# KiCad board ikafly_rev0a_p.kicad_pcb
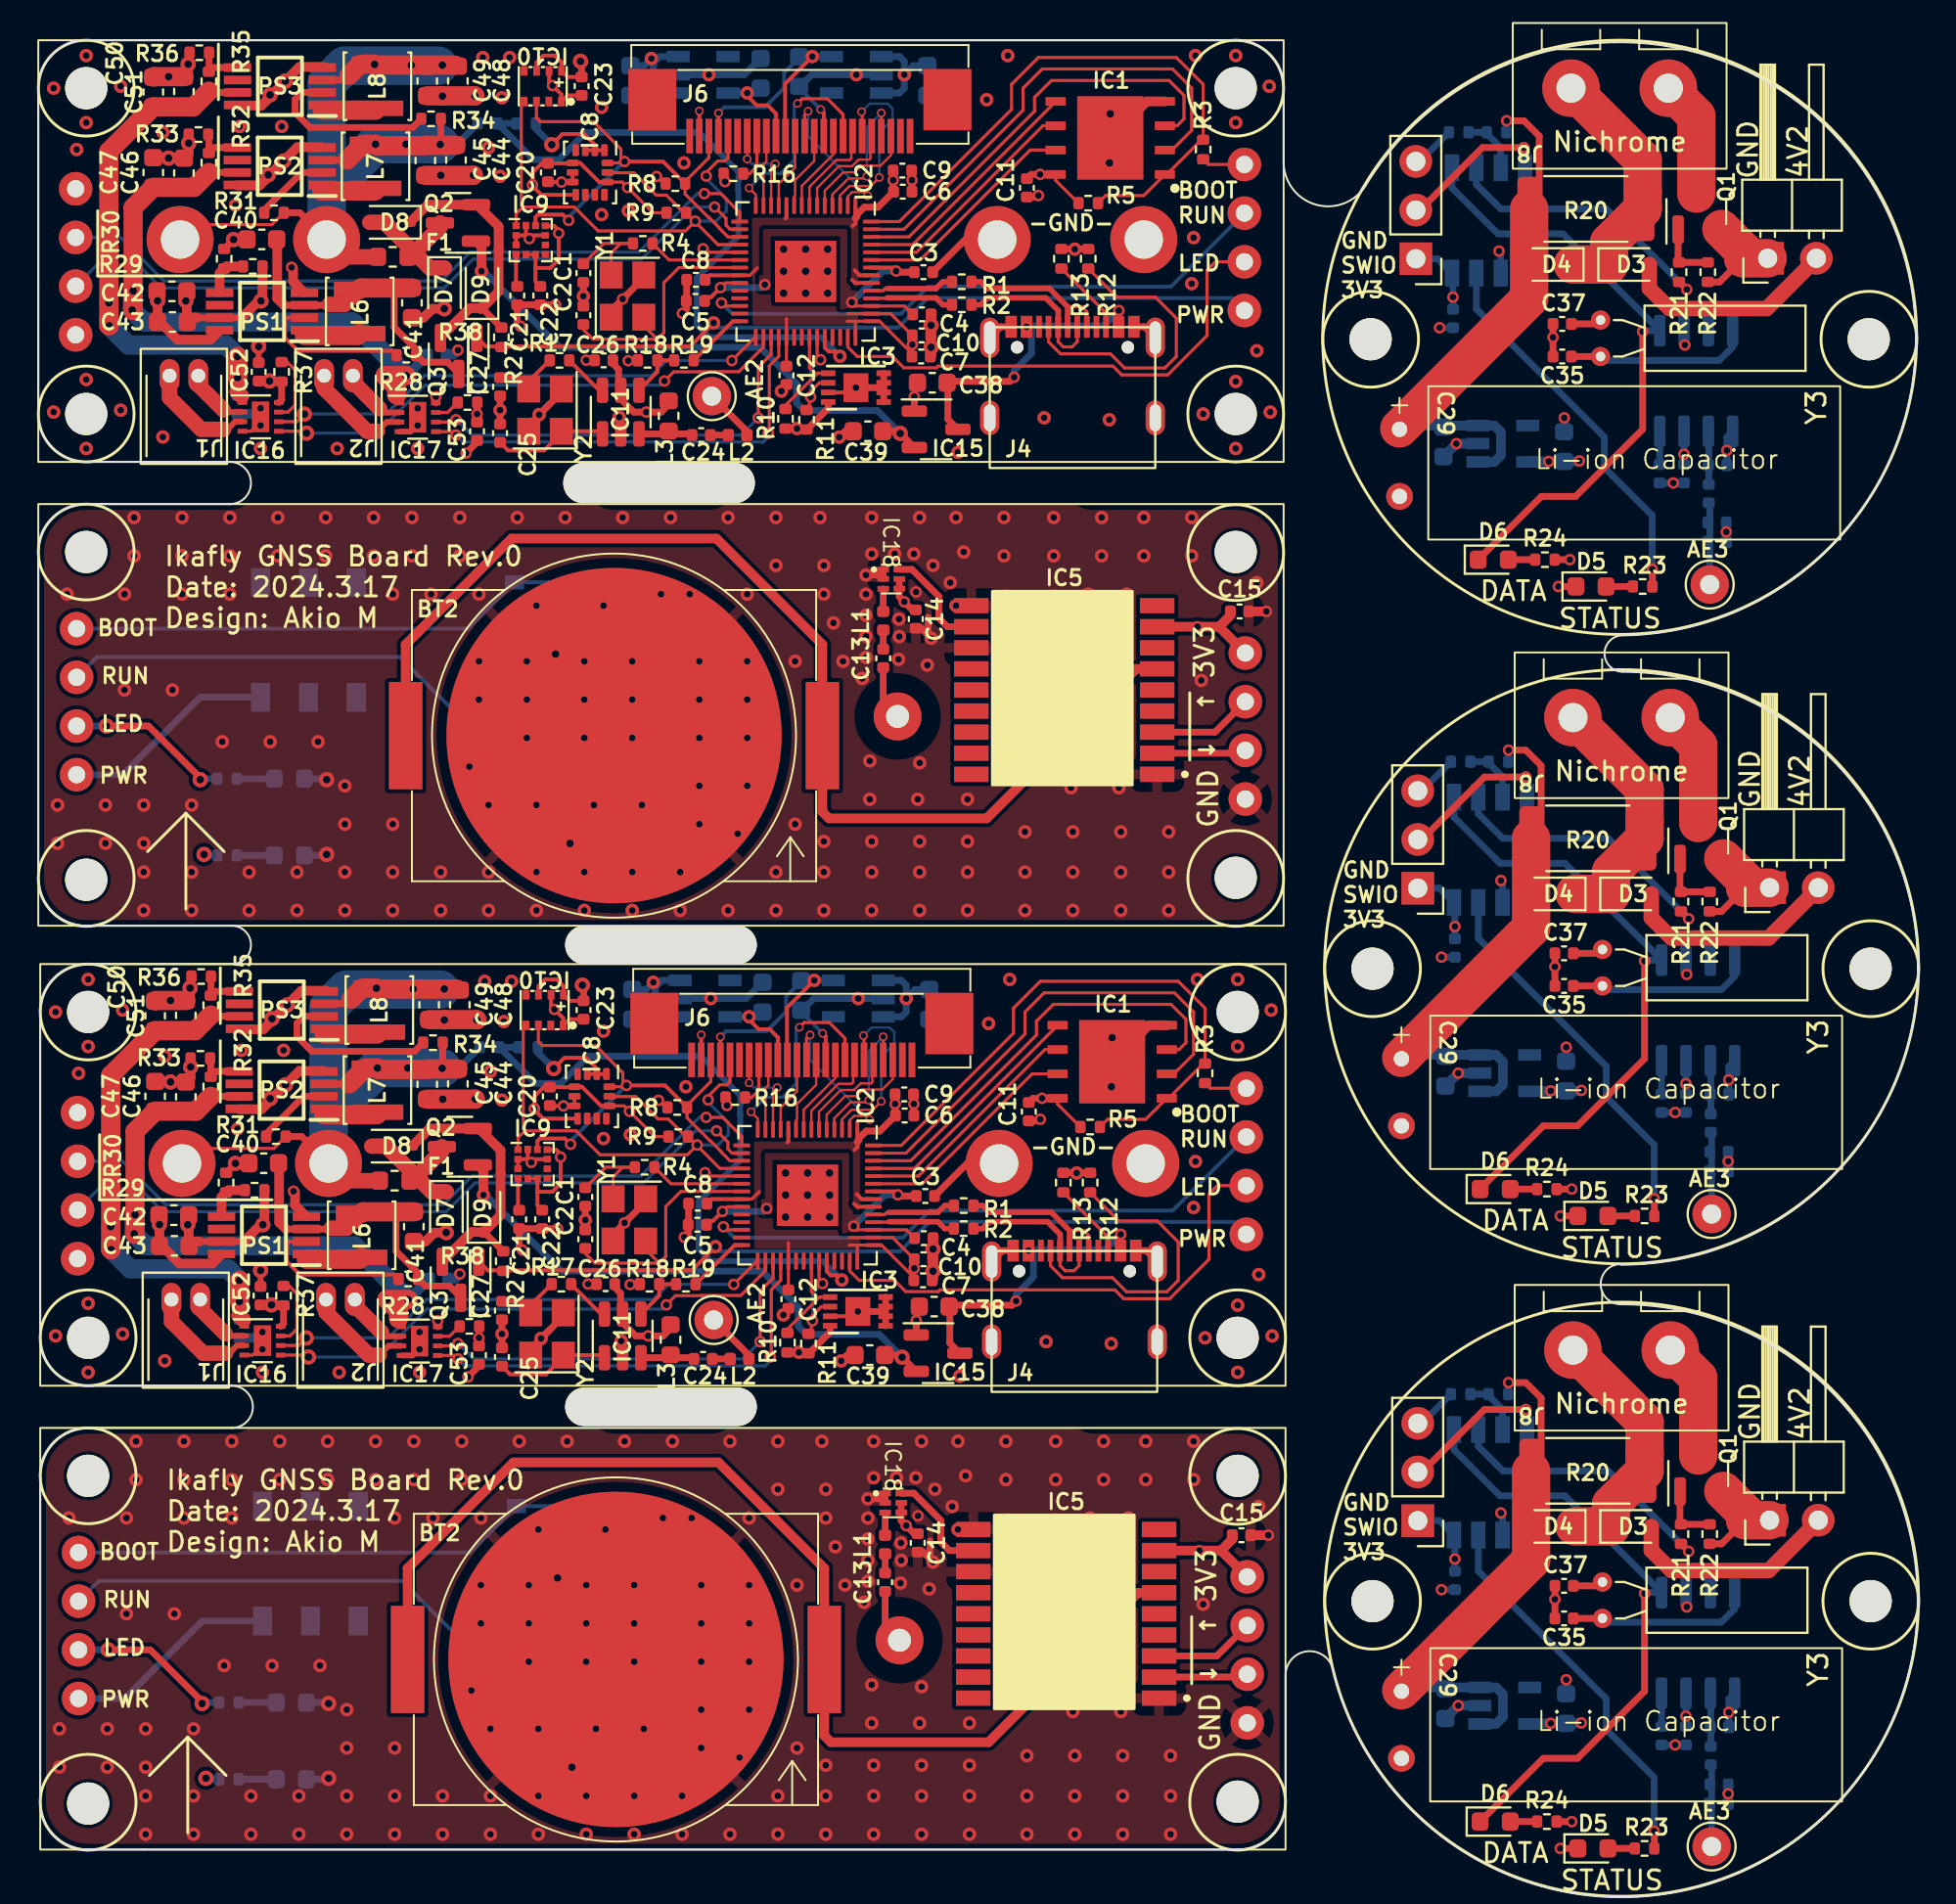
[diagram p0: board, top side]
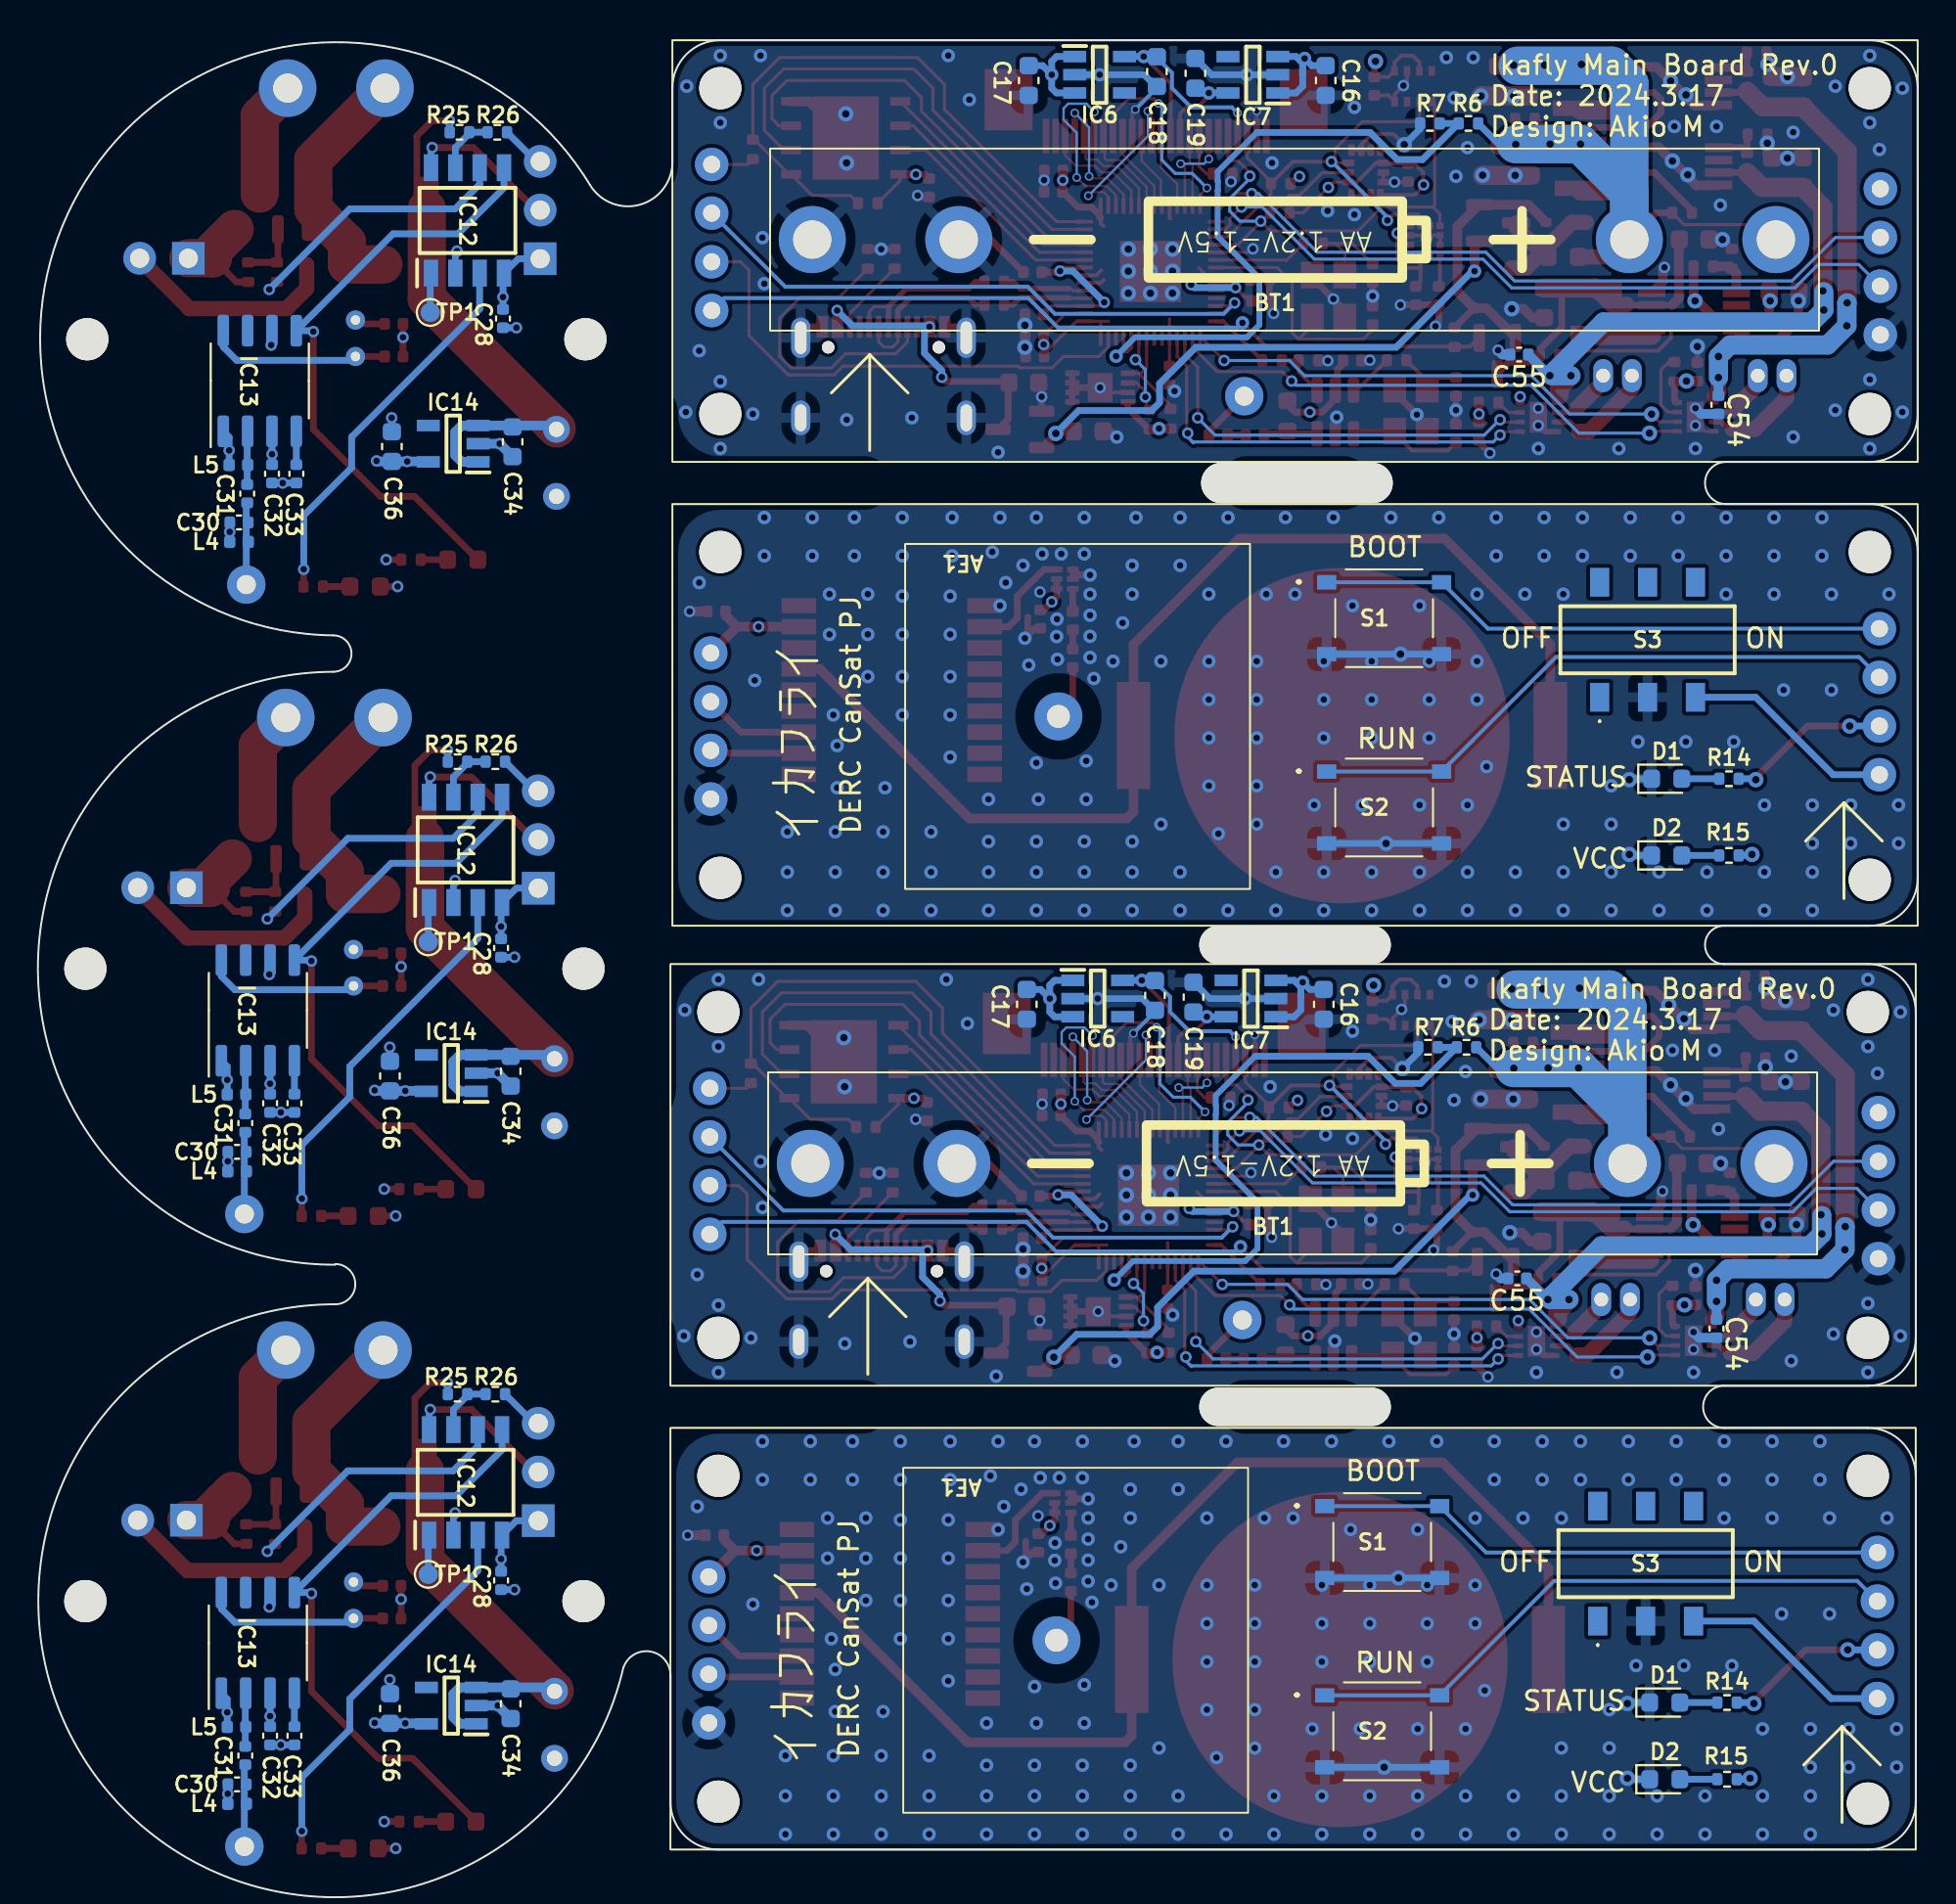
[diagram p1: board, bottom side, seen from below]

Outline 98.1 x 96.88 mm; copper layers: Top, In1.Cu, In2.Cu, Bottom. Coordinates in mm from the lower left corner of the outline.
Outline path: 67.55,11.99 arc(66.13,12.81) 65.1,11.54 65.1,4.98 arc(64.37,3.21) 62.6,2.48 5.5,2.48 2.6,2.48 arc(0.83,3.21) 0.1,4.98 0.1,21.98 arc(0.83,23.75) 2.6,24.48 10.1,24.48 arc(11.2,25.58) 10.1,26.68 2.6,26.68 arc(0.83,27.41) 0.1,29.18 0.1,46.18 arc(0.83,47.95) 2.6,48.68 10.1,48.68 arc(11.1,49.68) 10.1,50.68 2.5,50.68 arc(0.73,51.41) 0,53.18 0,70.18 arc(0.73,71.95) 2.5,72.68 10,72.68 arc(11.1,73.78) 10,74.88 2.5,74.88 arc(0.73,75.61) 0,77.38 0,94.38 arc(0.73,96.15) 2.5,96.88 62.5,96.88 arc(64.27,96.15) 65,94.38 65,90.63 arc(66.65,88.31) 69.3,89.33 arc(95.97,88.97) 82.7,65.83 arc(81.75,64.88) 82.7,63.93 arc(98.1,48.41) 82.6,33 ; 67.56,11.99 arc(94.74,5.84) 82.6,30.93 arc(81.55,31.98) 82.6,33.03
Stack: Top 0.035mm / dielectric 0.1mm FR4 er 4.5 / In1.Cu 0.035mm / dielectric 0.64mm FR4 er 4.5 / In2.Cu 0.035mm / dielectric 0.1mm FR4 er 4.5 / Bottom 0.035mm

## Placement (name value [footprint] x y rotation side)
AE1  ANT_GNSS  [BWGNSCNX18-18W2]  43.95 13.4 180 bottom
AE1#2  ANT_GNSS  [BWGNSCNX18-18W2]  43.85 61.6 180 bottom
AE2  ANT_315MHz  [Pin_D1.0mm_L10.0mm]  35.15 78.31 90 top
AE2#2  ANT_315MHz  [Pin_D1.0mm_L10.0mm]  35.25 30.11 90 top
AE3  ANT_315MHz  [Pin_D1.0mm_L10.0mm]  87.34 35.64 180 top
AE3#2  ANT_315MHz  [Pin_D1.0mm_L10.0mm]  87.24 68.48 180 top
AE3#3  ANT_315MHz  [Pin_D1.0mm_L10.0mm]  87.34 2.64 180 top
BT1  AA_Cell  [Conn_MY-AA]  7.4 86.48 0 bottom
BT1#2  AA_Cell  [Conn_MY-AA]  7.5 38.28 0 bottom
BT2  CR2032  [MY-2032-08-J-Fe]  30.15 12.4 0 top
BT2#2  CR2032  [MY-2032-08-J-Fe]  30.05 60.6 0 top
C1  20p  [C_0402_1005Metric]  28.45 84.73 90 top
C1#2  20p  [C_0402_1005Metric]  28.55 36.53 90 top
C2  20p  [C_0402_1005Metric]  28.55 34.33 270 top
C2#2  20p  [C_0402_1005Metric]  28.45 82.53 270 top
C3  1u  [C_0402_1005Metric]  46.2 84.78 0 top
C3#2  1u  [C_0402_1005Metric]  46.3 36.58 0 top
C4  100n  [C_0402_1005Metric]  46.22 34.38 0 top
C4#2  100n  [C_0402_1005Metric]  46.12 82.58 0 top
C5  100n  [C_0402_1005Metric]  34.3 83.28 180 top
C5#2  100n  [C_0402_1005Metric]  34.4 35.08 180 top
C6  1u  [C_0402_1005Metric]  45.22 40.78 0 top
C6#2  1u  [C_0402_1005Metric]  45.12 88.98 0 top
C7  100n  [C_0402_1005Metric]  46.18 32.18 0 top
C7#2  100n  [C_0402_1005Metric]  46.08 80.38 0 top
C8  100n  [C_0402_1005Metric]  34.42 36.18 180 top
C8#2  100n  [C_0402_1005Metric]  34.32 84.38 180 top
C9  100n  [C_0402_1005Metric]  45.2 41.88 0 top
C9#2  100n  [C_0402_1005Metric]  45.1 90.08 0 top
C10  100n  [C_0402_1005Metric]  46.2 33.28 0 top
C10#2  100n  [C_0402_1005Metric]  46.1 81.48 0 top
C11  100n  [C_0402_1005Metric]  51.7 40.98 270 top
C11#2  100n  [C_0402_1005Metric]  51.6 89.18 270 top
C12  100n  [C_0402_1005Metric]  39.05 79.4 270 top
C12#2  100n  [C_0402_1005Metric]  39.15 31.2 270 top
C13  470p  [C_0402_1005Metric]  44.1 64.63 90 top
C13#2  470p  [C_0402_1005Metric]  44.2 16.43 90 top
C14  100n  [C_0402_1005Metric]  45.8 66.68 270 top
C14#2  100n  [C_0402_1005Metric]  45.9 18.48 270 top
C15  100n  [C_0402_1005Metric]  62.7 67.08 0 top
C15#2  100n  [C_0402_1005Metric]  62.8 18.88 0 top
C16  10u  [C_0603_1608Metric]  31 46.58 270 bottom
C16#2  10u  [C_0603_1608Metric]  30.9 94.78 270 bottom
C17  10u  [C_0603_1608Metric]  46.4 94.78 270 bottom
C17#2  10u  [C_0603_1608Metric]  46.5 46.58 270 bottom
C18  10u  [C_0603_1608Metric]  39.71 95.25 270 bottom
C18#2  10u  [C_0603_1608Metric]  39.81 47.05 270 bottom
C19  10u  [C_0603_1608Metric]  37.8 46.96 90 bottom
C19#2  10u  [C_0603_1608Metric]  37.7 95.16 90 bottom
C20  100n  [C_0402_1005Metric]  26.7 41.78 90 top
C20#2  100n  [C_0402_1005Metric]  26.6 89.98 90 top
C21  100n  [C_0402_1005Metric]  25.1 35.36 90 top
C21#2  100n  [C_0402_1005Metric]  25 83.56 90 top
C22  100n  [C_0402_1005Metric]  26.3 35.36 270 top
C22#2  100n  [C_0402_1005Metric]  26.2 83.56 270 top
C23  100n  [C_0402_1005Metric]  28.36 94.49 270 top
C23#2  100n  [C_0402_1005Metric]  28.46 46.29 270 top
C24  20p  [C_0402_1005Metric]  34.6 76.28 180 top
C24#2  20p  [C_0402_1005Metric]  34.7 28.08 180 top
C25  20p  [C_0402_1005Metric]  24.1 76.38 90 top
C25#2  20p  [C_0402_1005Metric]  24.2 28.18 90 top
C26  2.2u  [C_0402_1005Metric]  29.51 80.18 180 top
C26#2  2.2u  [C_0402_1005Metric]  29.61 31.98 180 top
C27  20p  [C_0402_1005Metric]  24.2 30.6 270 top
C27#2  20p  [C_0402_1005Metric]  24.1 78.8 270 top
C28  100n  [C_0402_1005Metric]  73.94 16.52 270 bottom
C28#2  100n  [C_0402_1005Metric]  73.94 49.52 270 bottom
C28#3  100n  [C_0402_1005Metric]  73.84 82.36 270 bottom
C29  40F  [Capacitor_P3.5_8x20_H]  71.05 74.83 270 top
C29#2  40F  [Capacitor_P3.5_8x20_H]  71.15 41.99 270 top
C29#3  40F  [Capacitor_P3.5_8x20_H]  71.15 8.99 270 top
C30  6.8p  [C_0402_1005Metric]  87.62 71.72 0 bottom
C30#2  6.8p  [C_0402_1005Metric]  87.72 38.88 0 bottom
C30#3  6.8p  [C_0402_1005Metric]  87.72 5.88 0 bottom
C31  1.5p  [C_0402_1005Metric]  87.29 7.38 90 bottom
C31#2  1.5p  [C_0402_1005Metric]  87.19 73.22 90 bottom
C31#3  1.5p  [C_0402_1005Metric]  87.29 40.38 90 bottom
C32  100n  [C_0402_1005Metric]  86 8.42 270 bottom
C32#2  100n  [C_0402_1005Metric]  86 41.42 270 bottom
C32#3  100n  [C_0402_1005Metric]  85.9 74.26 270 bottom
C33  0.47u  [C_0402_1005Metric]  84.73 41.42 270 bottom
C33#2  0.47u  [C_0402_1005Metric]  84.63 74.26 270 bottom
C33#3  0.47u  [C_0402_1005Metric]  84.73 8.42 270 bottom
C34  10u  [C_0603_1608Metric]  73.44 10.09 270 bottom
C34#2  10u  [C_0603_1608Metric]  73.34 75.93 270 bottom
C34#3  10u  [C_0603_1608Metric]  73.44 43.09 270 bottom
C35  20p  [C_0402_1005Metric]  79.64 47.54 180 top
C35#2  20p  [C_0402_1005Metric]  79.54 80.38 180 top
C35#3  20p  [C_0402_1005Metric]  79.64 14.54 180 top
C36  10u  [C_0603_1608Metric]  79.64 75.68 90 bottom
C36#2  10u  [C_0603_1608Metric]  79.74 9.84 90 bottom
C36#3  10u  [C_0603_1608Metric]  79.74 42.84 90 bottom
C37  20p  [C_0402_1005Metric]  79.54 82.08 180 top
C37#2  20p  [C_0402_1005Metric]  79.64 49.24 180 top
C37#3  20p  [C_0402_1005Metric]  79.64 16.24 180 top
C38  10u  [C_0603_1608Metric]  46.76 30.81 180 top
C38#2  10u  [C_0603_1608Metric]  46.66 79.01 180 top
C39  10u  [C_0603_1608Metric]  43.4 28.28 180 top
C39#2  10u  [C_0603_1608Metric]  43.3 76.48 180 top
C40  22u  [C_0603_1608Metric]  11.76 38.29 180 top
C40#2  22u  [C_0603_1608Metric]  11.66 86.49 180 top
C41  22u  [C_0603_1608Metric]  19.5 83.18 270 top
C41#2  22u  [C_0603_1608Metric]  19.6 34.98 270 top
C42  22u  [C_0603_1608Metric]  7.07 35.58 180 top
C42#2  22u  [C_0603_1608Metric]  6.97 83.78 180 top
C43  22u  [C_0603_1608Metric]  7 82.18 180 top
C43#2  22u  [C_0603_1608Metric]  7.1 33.98 180 top
C44  22u  [C_0603_1608Metric]  21.8 90.63 270 top
C44#2  22u  [C_0603_1608Metric]  21.9 42.43 270 top
C45  22u  [C_0603_1608Metric]  20.2 90.61 270 top
C45#2  22u  [C_0603_1608Metric]  20.3 42.41 270 top
C46  22u  [C_0603_1608Metric]  7.6 89.96 90 top
C46#2  22u  [C_0603_1608Metric]  7.7 41.76 90 top
C47  22u  [C_0603_1608Metric]  6 89.98 90 top
C47#2  22u  [C_0603_1608Metric]  6.1 41.78 90 top
C48  22u  [C_0603_1608Metric]  22 46.56 270 top
C48#2  22u  [C_0603_1608Metric]  21.9 94.76 270 top
C49  22u  [C_0603_1608Metric]  20.4 46.56 270 top
C49#2  22u  [C_0603_1608Metric]  20.3 94.76 270 top
C50  22u  [C_0603_1608Metric]  6.1 45.98 90 top
C50#2  22u  [C_0603_1608Metric]  6 94.18 90 top
C51  22u  [C_0603_1608Metric]  7.7 46.01 90 top
C51#2  22u  [C_0603_1608Metric]  7.6 94.21 90 top
C52  100n  [C_0402_1005Metric]  11.6 31.38 90 top
C52#2  100n  [C_0402_1005Metric]  11.5 79.58 90 top
C53  100n  [C_0402_1005Metric]  23 28.28 270 top
C53#2  100n  [C_0402_1005Metric]  22.9 76.48 270 top
C54  100n  [C_0402_1005Metric]  10.5 29.66 270 bottom
C54#2  100n  [C_0402_1005Metric]  10.4 77.86 270 bottom
C55  100n  [C_0402_1005Metric]  20.9 32.28 0 bottom
C55#2  100n  [C_0402_1005Metric]  20.8 80.48 0 bottom
D1  LED  [LED_0603_1608Metric]  13.2 10.15 180 bottom
D1#2  LED  [LED_0603_1608Metric]  13.1 58.35 180 bottom
D2  LED  [LED_0603_1608Metric]  13.2 6.15 180 bottom
D2#2  LED  [LED_0603_1608Metric]  13.1 54.35 180 bottom
D3  CUS10S30  [D_SOD-323]  83.04 85.18 0 top
D3#2  CUS10S30  [D_SOD-323]  83.14 19.34 0 top
D3#3  CUS10S30  [D_SOD-323]  83.14 52.34 0 top
D4  CUS10S30  [D_SOD-323]  79.14 19.34 180 top
D4#2  CUS10S30  [D_SOD-323]  79.14 52.34 180 top
D4#3  CUS10S30  [D_SOD-323]  79.04 85.18 180 top
D5  LED  [LED_0603_1608Metric]  81.14 2.54 0 top
D5#2  LED  [LED_0603_1608Metric]  81.14 35.54 0 top
D5#3  LED  [LED_0603_1608Metric]  81.04 68.38 0 top
D6  LED  [LED_0603_1608Metric]  76.04 36.94 0 top
D6#2  LED  [LED_0603_1608Metric]  75.94 69.78 0 top
D6#3  LED  [LED_0603_1608Metric]  76.04 3.94 0 top
D7  CUS10S30  [D_SOD-323]  21.2 83.95 270 top
D7#2  CUS10S30  [D_SOD-323]  21.3 35.75 270 top
D8  CUS10S30  [D_SOD-323]  18.45 39.18 180 top
D8#2  CUS10S30  [D_SOD-323]  18.35 87.38 180 top
D9  CUS10S30  [D_SOD-323]  23.16 83.95 90 top
D9#2  CUS10S30  [D_SOD-323]  23.26 35.75 90 top
F1  Polyfuse  [Fuse_0603_1608Metric]  18.5 85.58 0 top
F1#2  Polyfuse  [Fuse_0603_1608Metric]  18.6 37.38 0 top
H1  MountingHole  [MountingHole_2.2mm_M2]  2.6 46.18 0 top
H1#2  MountingHole  [MountingHole_2.2mm_M2]  2.5 94.38 0 top
H2  MountingHole  [MountingHole_2.2mm_M2]  2.6 29.18 0 top
H2#2  MountingHole  [MountingHole_2.2mm_M2]  2.5 77.38 0 top
H3  MountingHole  [MountingHole_2.2mm_M2]  62.6 46.18 0 top
H3#2  MountingHole  [MountingHole_2.2mm_M2]  62.5 94.38 0 top
H4  MountingHole  [MountingHole_2.2mm_M2]  62.5 77.38 0 top
H4#2  MountingHole  [MountingHole_2.2mm_M2]  62.6 29.18 0 top
H5  MountingHole  [MountingHole_2.2mm_M2]  69.54 81.28 0 top
H5#2  MountingHole  [MountingHole_2.2mm_M2]  69.64 48.44 0 top
H5#3  MountingHole  [MountingHole_2.2mm_M2]  69.64 15.44 0 top
H6  MountingHole  [MountingHole_2.2mm_M2]  95.64 15.44 0 top
H6#2  MountingHole  [MountingHole_2.2mm_M2]  95.64 48.44 0 top
H6#3  MountingHole  [MountingHole_2.2mm_M2]  95.54 81.28 0 top
H7  MountingHole  [MountingHole_2.2mm_M2]  2.5 70.18 0 top
H7#2  MountingHole  [MountingHole_2.2mm_M2]  2.6 21.98 0 top
H8  MountingHole  [MountingHole_2.2mm_M2]  2.5 53.08 0 top
H8#2  MountingHole  [MountingHole_2.2mm_M2]  2.6 4.88 0 top
H9  MountingHole  [MountingHole_2.2mm_M2]  62.6 4.98 0 top
H9#2  MountingHole  [MountingHole_2.2mm_M2]  62.5 53.18 0 top
H10  MountingHole  [MountingHole_2.2mm_M2]  62.6 21.98 0 top
H10#2  MountingHole  [MountingHole_2.2mm_M2]  62.5 70.18 0 top
IC1  W25Q32JVZPIQ  [SON127P600X500X80-9N-D]  55.95 91.79 180 top
IC1#2  W25Q32JVZPIQ  [SON127P600X500X80-9N-D]  56.05 43.59 180 top
IC2  RP2040  [QFN-56-1EP_7x7mm_P0.4mm_EP3.2x3.2mm]  40.05 84.82 270 top
IC2#2  RP2040  [QFN-56-1EP_7x7mm_P0.4mm_EP3.2x3.2mm]  40.15 36.62 270 top
IC3  ZD24C512A  [DFN-8-1EP_3x2mm_P0.5mm_EP1.3x1.5mm]  42.77 30.56 180 top
IC3#2  ZD24C512A  [DFN-8-1EP_3x2mm_P0.5mm_EP1.3x1.5mm]  42.67 78.76 180 top
IC5  ATGM336H-5N31  [ATGM336H5N31]  53.55 62.98 0 top
IC5#2  ATGM336H-5N31  [ATGM336H5N31]  53.65 14.78 0 top
IC6  ME6211C28M5G-N  [SOT95P282X145-5N]  42.8 46.88 180 bottom
IC6#2  ME6211C28M5G-N  [SOT95P282X145-5N]  42.7 95.08 180 bottom
IC7  ME6211C12M5G-N  [SOT95P282X145-5N]  34.7 95.08 0 bottom
IC7#2  ME6211C12M5G-N  [SOT95P282X145-5N]  34.8 46.88 0 bottom
IC8  LSM6DS3TR-C  [LGA-14_3x2.5mm_P0.5mm_LayoutBorder3x4y]  28.9 41.78 270 top
IC8#2  LSM6DS3TR-C  [LGA-14_3x2.5mm_P0.5mm_LayoutBorder3x4y]  28.8 89.98 270 top
IC9  LIS3MDLTR  [LGA-12_2x2mm_P0.5mm]  25.8 38.25 0 top
IC9#2  LIS3MDLTR  [LGA-12_2x2mm_P0.5mm]  25.7 86.45 0 top
IC10  SPL06-001  [Goertek_SPL06-001]  27.58 95.48 180 top
IC10#2  SPL06-001  [Goertek_SPL06-001]  27.68 47.28 180 top
IC11  WF4455TD  [SOT-23-6]  30.4 77.48 90 top
IC11#2  WF4455TD  [SOT-23-6]  30.5 29.28 90 top
IC12  CH32V003J4M6  [SOIC127P600X155-8N]  75.79 54.64 90 bottom
IC12#2  CH32V003J4M6  [SOIC127P600X155-8N]  75.79 21.64 90 bottom
IC12#3  CH32V003J4M6  [SOIC127P600X155-8N]  75.69 87.48 90 bottom
IC13  WF490RE  [SOP-8_3.9x4.9mm_P1.27mm]  86.63 46.26 90 bottom
IC13#2  WF490RE  [SOP-8_3.9x4.9mm_P1.27mm]  86.63 13.26 90 bottom
IC13#3  WF490RE  [SOP-8_3.9x4.9mm_P1.27mm]  86.53 79.1 90 bottom
IC14  ME6211C33M5G-N  [SOT95P282X145-5N]  76.44 75.83 0 bottom
IC14#2  ME6211C33M5G-N  [SOT95P282X145-5N]  76.54 42.99 0 bottom
IC14#3  ME6211C33M5G-N  [SOT95P282X145-5N]  76.54 9.99 0 bottom
IC15  XC6206P182MR  [SOT-23-3]  46.96 28.38 0 top
IC15#2  XC6206P182MR  [SOT-23-3]  46.86 76.58 0 top
IC16  DRV8837  [WSON-8-1EP_2x2mm_P0.5mm_EP0.9x1.6mm]  11.6 77.23 0 top
IC16#2  DRV8837  [WSON-8-1EP_2x2mm_P0.5mm_EP0.9x1.6mm]  11.7 29.03 0 top
IC17  DRV8837  [WSON-8-1EP_2x2mm_P0.5mm_EP0.9x1.6mm]  19.8 77.21 0 top
IC17#2  DRV8837  [WSON-8-1EP_2x2mm_P0.5mm_EP0.9x1.6mm]  19.9 29.01 0 top
IC18  -  [AT2659]  44.54 68.77 270 top
IC18#2  -  [AT2659]  44.64 20.57 270 top
J1  Motor_Conn  [JST_ZH_2_Side]  9.85 79.38 180 top
J1#2  Motor_Conn  [JST_ZH_2_Side]  9.95 31.18 180 top
J2  Motor_Conn  [JST_ZH_2_Side]  17.92 79.38 180 top
J2#2  Motor_Conn  [JST_ZH_2_Side]  18.02 31.18 180 top
J3  GPS2MCU  [GPS2MCU_Conn]  32.7 85.9 0 top
J3#2  GPS2MCU  [GPS2MCU_Conn]  32.8 37.7 0 top
J4  -  [USB_type_C]  49.76 33.71 0 top
J4#2  -  [USB_type_C]  49.66 81.91 0 top
J5  GPS2MCU  [GPS2MCU_Conn]  32.35 13.48 180 bottom
J5#2  GPS2MCU  [GPS2MCU_Conn]  32.25 61.68 180 bottom
J6  OV2640_FPC_P0.5_24P  [FC05-SXXDCU-00]  39.85 43.68 0 top
J6#2  OV2640_FPC_P0.5_24P  [FC05-SXXDCU-00]  39.75 91.88 0 top
J7  Charge  [PinHeader_1x02_P2.54mm_Horizontal]  90.36 52.67 90 top
J7#2  Charge  [PinHeader_1x02_P2.54mm_Horizontal]  90.36 19.67 90 top
J7#3  Charge  [PinHeader_1x02_P2.54mm_Horizontal]  90.26 85.51 90 top
J8  Nichrome  [TerminalBlock_TB111-2-2-U-1-1]  82.64 61.54 180 top
J8#2  Nichrome  [TerminalBlock_TB111-2-2-U-1-1]  82.54 94.38 180 top
J8#3  Nichrome  [TerminalBlock_TB111-2-2-U-1-1]  82.64 28.54 180 top
J9  Write  [PinHeader_1x03_P2.54mm_Vertical]  71.9 85.48 180 top
J9#2  Write  [PinHeader_1x03_P2.54mm_Vertical]  72 52.64 180 top
J9#3  Write  [PinHeader_1x03_P2.54mm_Vertical]  72 19.64 180 top
L1  6.8nH  [L_0402_1005Metric]  44.1 66.6 90 top
L1#2  6.8nH  [L_0402_1005Metric]  44.2 18.4 90 top
L2  33nH  [L_0402_1005Metric]  36.5 76.28 180 top
L2#2  33nH  [L_0402_1005Metric]  36.6 28.08 180 top
L3  3.3uH  [L_0603_1608Metric]  33 29.08 270 top
L3#2  3.3uH  [L_0603_1608Metric]  32.9 77.28 270 top
L4  39nH  [L_0402_1005Metric]  87.72 4.87 0 bottom
L4#2  39nH  [L_0402_1005Metric]  87.72 37.87 0 bottom
L4#3  39nH  [L_0402_1005Metric]  87.62 70.71 0 bottom
L5  68nH  [L_0402_1005Metric]  87.65 74.72 0 bottom
L5#2  68nH  [L_0402_1005Metric]  87.75 8.88 0 bottom
L5#3  68nH  [L_0402_1005Metric]  87.75 41.88 0 bottom
L6  1.5uH  [L_Sunlord_SWPA3015S]  16.88 34.53 270 top
L6#2  1.5uH  [L_Sunlord_SWPA3015S]  16.77 82.73 270 top
L7  1.5uH  [L_Sunlord_SWPA3015S]  17.7 42.11 270 top
L7#2  1.5uH  [L_Sunlord_SWPA3015S]  17.6 90.31 270 top
L8  1.5uH  [L_Sunlord_SWPA3015S]  17.8 46.28 270 top
L8#2  1.5uH  [L_Sunlord_SWPA3015S]  17.7 94.48 270 top
NOREF  -  [unnamed]  32.5 49.68 0 top
NOREF#2  -  [unnamed]  32.5 25.58 0 top
NOREF#3  -  [unnamed#2]  32.4 73.78 0 top
PS1  PAM2401SCADJ  [SOP65P490X110-8N]  11.67 82.73 180 top
PS1#2  PAM2401SCADJ  [SOP65P490X110-8N]  11.77 34.53 180 top
PS2  PAM2401SCADJ  [SOP65P490X110-8N]  12.6 90.31 180 top
PS2#2  PAM2401SCADJ  [SOP65P490X110-8N]  12.7 42.11 180 top
PS3  PAM2401SCADJ  [SOP65P490X110-8N]  12.71 46.28 180 top
PS3#2  PAM2401SCADJ  [SOP65P490X110-8N]  12.61 94.48 180 top
Q1  YJL3416A  [SOT-23]  86.64 22.1 90 top
Q1#2  YJL3416A  [SOT-23]  86.64 55.1 90 top
Q1#3  YJL3416A  [SOT-23]  86.54 87.94 90 top
Q2  CJ2301-ES  [SOT-23]  22 39.15 180 top
Q2#2  CJ2301-ES  [SOT-23]  21.9 87.35 180 top
Q3  CJ2301-ES  [SOT-23]  22.04 32.21 270 top
Q3#2  CJ2301-ES  [SOT-23]  21.94 80.41 270 top
R1  27  [R_0402_1005Metric]  48.2 84.28 180 top
R1#2  27  [R_0402_1005Metric]  48.3 36.08 180 top
R2  27  [R_0402_1005Metric]  48.2 83.08 180 top
R2#2  27  [R_0402_1005Metric]  48.3 34.88 180 top
R3  1k  [R_0402_1005Metric]  60.8 91.18 90 top
R3#2  1k  [R_0402_1005Metric]  60.9 42.98 90 top
R4  1k  [R_0402_1005Metric]  31.65 38.08 0 top
R4#2  1k  [R_0402_1005Metric]  31.55 86.28 0 top
R5  10k  [R_0402_1005Metric]  54.9 40.18 0 top
R5#2  10k  [R_0402_1005Metric]  54.8 88.38 0 top
R6  10k  [R_0402_1005Metric]  23.45 92.54 0 bottom
R6#2  10k  [R_0402_1005Metric]  23.55 44.34 0 bottom
R7  10k  [R_0402_1005Metric]  25.56 44.34 0 bottom
R7#2  10k  [R_0402_1005Metric]  25.46 92.54 0 bottom
R8  2.2k  [R_0402_1005Metric]  33.35 41.2 0 top
R8#2  2.2k  [R_0402_1005Metric]  33.25 89.4 0 top
R9  2.2k  [R_0402_1005Metric]  33.4 39.68 0 top
R9#2  2.2k  [R_0402_1005Metric]  33.3 87.88 0 top
R10  2.2k  [R_0402_1005Metric]  39.1 28.93 90 top
R10#2  2.2k  [R_0402_1005Metric]  39 77.13 90 top
R11  2.2k  [R_0402_1005Metric]  40.2 28.88 90 top
R11#2  2.2k  [R_0402_1005Metric]  40.1 77.08 90 top
R12  5.1k  [R_0402_1005Metric]  54.9 37.28 90 top
R12#2  5.1k  [R_0402_1005Metric]  54.8 85.48 90 top
R13  5.1k  [R_0402_1005Metric]  53.4 85.48 90 top
R13#2  5.1k  [R_0402_1005Metric]  53.5 37.28 90 top
R14  10k  [R_0402_1005Metric]  9.85 58.35 0 bottom
R14#2  10k  [R_0402_1005Metric]  9.95 10.15 0 bottom
R15  10k  [R_0402_1005Metric]  9.95 6.15 0 bottom
R15#2  10k  [R_0402_1005Metric]  9.85 54.35 0 bottom
R16  10k  [R_0402_1005Metric]  36.28 89.92 0 top
R16#2  10k  [R_0402_1005Metric]  36.38 41.72 0 top
R17  1k  [R_0402_1005Metric]  27.3 31.98 0 top
R17#2  1k  [R_0402_1005Metric]  27.2 80.18 0 top
R18  100k  [R_0402_1005Metric]  31.8 80.18 180 top
R18#2  100k  [R_0402_1005Metric]  31.9 31.98 180 top
R19  10k  [R_0402_1005Metric]  33.7 80.18 0 top
R19#2  10k  [R_0402_1005Metric]  33.8 31.98 0 top
R20  1  [R_2512_6332Metric]  80.88 55.24 180 top
R20#2  1  [R_2512_6332Metric]  80.78 88.08 180 top
R20#3  1  [R_2512_6332Metric]  80.88 22.24 180 top
R21  1k  [R_0402_1005Metric]  85.74 18.94 90 top
R21#2  1k  [R_0402_1005Metric]  85.64 84.78 90 top
R21#3  1k  [R_0402_1005Metric]  85.74 51.94 90 top
R22  10k  [R_0402_1005Metric]  87.24 18.94 270 top
R22#2  10k  [R_0402_1005Metric]  87.24 51.94 270 top
R22#3  10k  [R_0402_1005Metric]  87.14 84.78 270 top
R23  10k  [R_0402_1005Metric]  83.74 68.38 180 top
R23#2  10k  [R_0402_1005Metric]  83.84 35.54 180 top
R23#3  10k  [R_0402_1005Metric]  83.84 2.54 180 top
R24  10k  [R_0402_1005Metric]  78.74 3.94 180 top
R24#2  10k  [R_0402_1005Metric]  78.74 36.94 180 top
R24#3  10k  [R_0402_1005Metric]  78.64 69.78 180 top
R25  100k  [R_0402_1005Metric]  76.11 92.08 180 bottom
R25#2  100k  [R_0402_1005Metric]  76.21 59.24 180 bottom
R25#3  100k  [R_0402_1005Metric]  76.21 26.24 180 bottom
R26  100k  [R_0402_1005Metric]  74.24 59.24 180 bottom
R26#2  100k  [R_0402_1005Metric]  74.14 92.08 180 bottom
R26#3  100k  [R_0402_1005Metric]  74.24 26.24 180 bottom
R27  100k  [R_0402_1005Metric]  24.27 33.18 270 top